# Altium PCB Archimbu.PcbDoc (part 2 of 5)
Units mil, origin at the board's own origin, x right, y up, seen from the top; angles counter-clockwise.
Board outline 4100 x 4050 mil, 4 copper layers (Top Layer, Ground Plane, Power Plane, Bottom Layer), stack 59.2 mil thick; 524 components, 271 nets, 1488 pads, 1236 vias.
Unrouted connection lines stored in the file: 118.
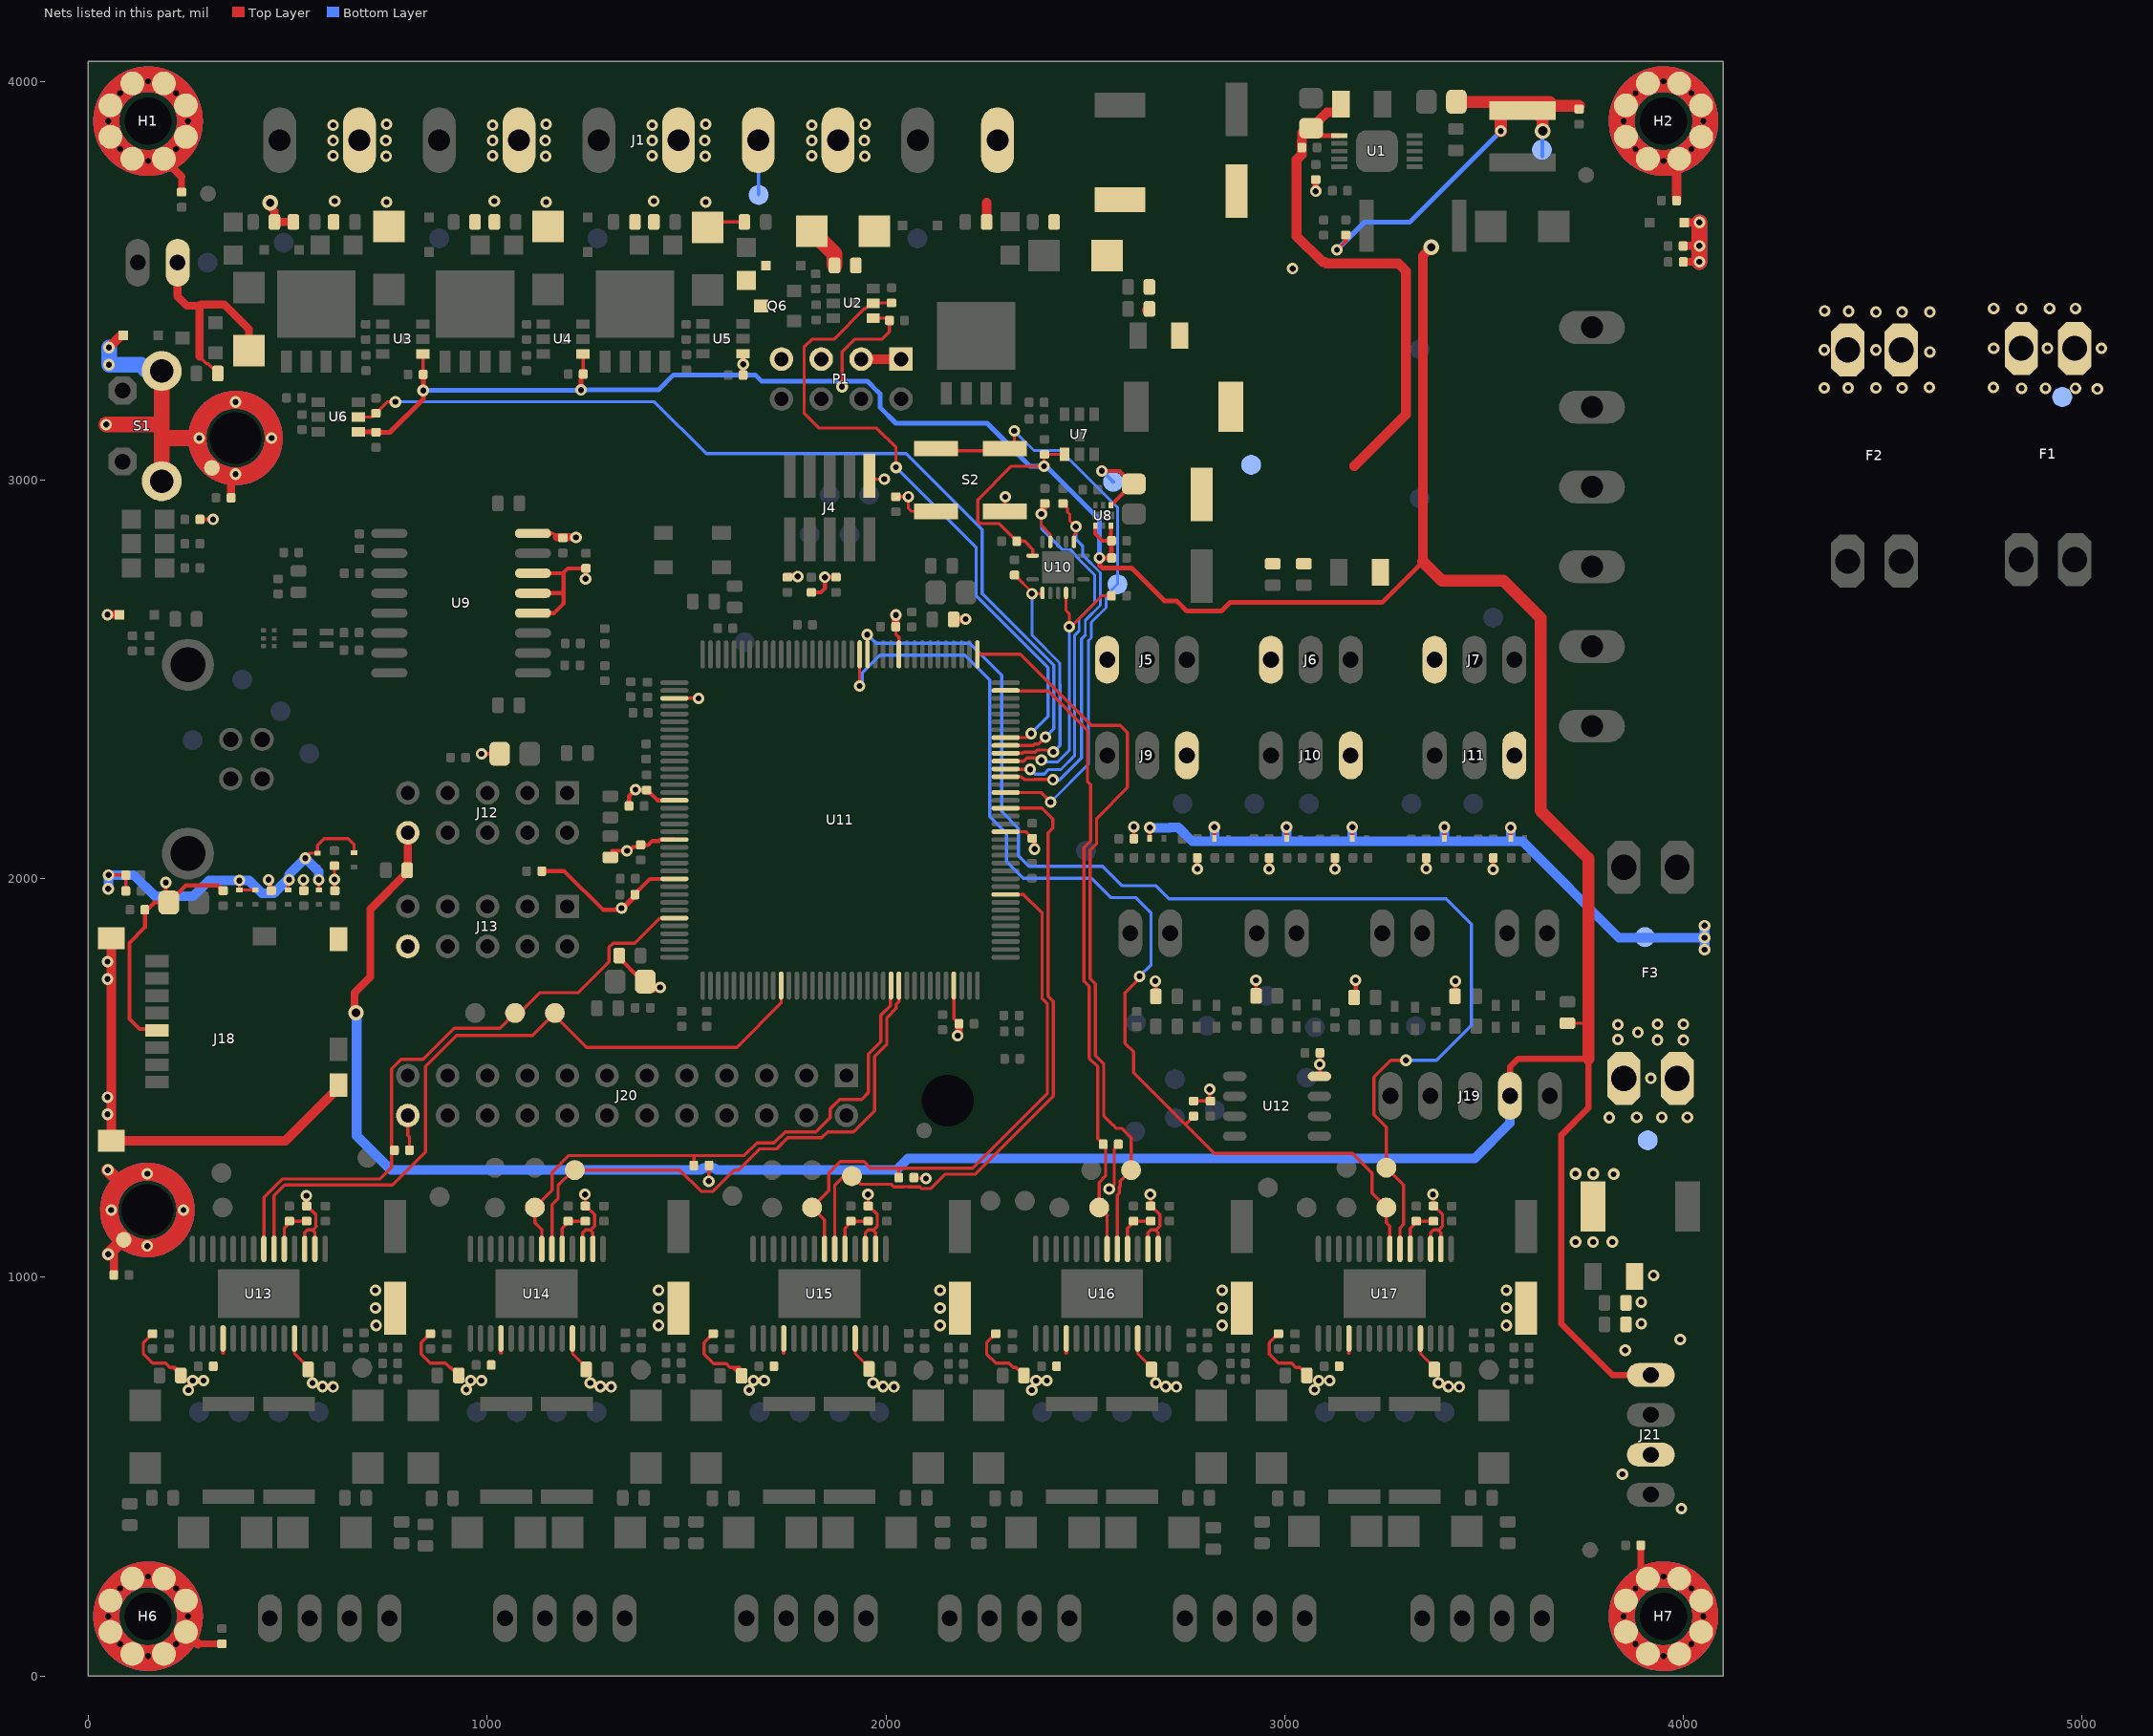
[diagram p4: the nets of this part, all layers, seen from the top]

## Footprints (in the part's own frame and the unit in brackets; to place one, negate y for a bottom-side part, rotate by r counter-clockwise, add the part's x,y. Pads: shape width x height; smd on the part's side, far side on the other; paste and mask are expansions set on the pad) (continued)
QFN50P350X350X100_RGY_S-PVQFN-N14 [mm] "QFN, 14-Leads, Body 3.50x3.50mm, Pitch 1.50mm/0.50mm, Thermal Pad 2.05x2.05mm, IPC High Density"
  oval 0.8x0.28 smd: 1(-1.625,-0.75) 7(1.625,-0.75) 8(1.625,0.75) 14(-1.625,0.75)
  oval 0.28x0.8 smd: 2(-1,-1.625) 3(-0.5,-1.625) 4(0,-1.625) 5(0.5,-1.625) 6(1,-1.625) 9(1,1.625) 10(0.5,1.625) 11(0,1.625) 12(-0.5,1.625) 13(-1,1.625)
  rect 2.05x2.05 smd: 15(0,0)
  silkscreen extent -2.66,-1.97 1.97,1.97, body extent -1.83,-1.83 1.83,1.83, height 1
R0402 [mil]
  rrect40% 22x24 smd: 1(-18.9,0) 2(19,0)
  body extent -20,-10 20,10, height 14
R0603#1 [mm]
  rrect40% 0.74x1 smd: 1(-0.68,0) 2(0.68,0)
  body extent -0.8,-0.4 0.8,0.4, height 0.8
R0603#2 [mm]
  rrect40% 0.74x1 smd: 1(0.68,0) 2(-0.68,0)
  body extent -0.8,-0.4 0.8,0.4, height 0.8
S25FL216K0PMFI041 [mm] "SOIC, 8-Leads, Body 4.90x3.90mm, Pitch 1.27mm, IPC Medium Density"
  oval 1.5x0.6 smd: 1(-2.7,1.905) 2(-2.7,0.635) 3(-2.7,-0.635) 4(-2.7,-1.905) 5(2.7,-1.905) 6(2.7,-0.635) 7(2.7,0.635) 8(2.7,1.905)
  silkscreen extent -2.82,-2.45 1.55,2.88, body extent -1.95,-2.45 1.95,2.45, height 1.75
SMA-SM [mil]
  rect 79x79 smd: A(79,0) C(-78.74,0)
  silkscreen extent -89,-49 89,50, body extent -105,-54 105,55, height 116
SOD323-R [mil]
  rect 24x24 smd: A(44,0) C(-43.31,0)
  silkscreen extent -58,-38 -48,-28, body extent -50,-31 50,31, height 28
SOD523 [mil]
  rect 28x20 smd: A(27.56,0) C(-27.56,0)
  silkscreen extent -40,-31 -31,-22, body extent -30,-16 30,16, height 28
SOD923-100X40-2N [mm] "SODFL, 2-Leads, Body 0.60x1.00mm, IPC Medium Density"
  rect 0.3x0.4 smd paste-0.025: A(0.45,0) C(-0.45,0)
  silkscreen extent -0.55,0.35 -0.45,0.45, body extent -0.42,-0.33 0.43,0.33, height 0.4
SOT23-3 [mil]
  rect 32x36 smd: 1(-37.4,-39.37) 2(38,-39.37) 3(0,44)
  silkscreen extent -55,-4 56,28, body extent -59,-45 59,53, height 44
SOT26P285X140-6L [mm] "SOT26, 6-Leads, Body 3.00x2.85mm, Pitch 0.95mm, IPC High Density"
  rect 0.85x0.6 smd: 1(-1.275,0.95) 2(-1.275,0) 3(-1.275,-0.95) 4(1.275,-0.95) 5(1.275,0) 6(1.275,0.95)
  silkscreen extent -1.4,-1.55 0.45,1.92, body extent -0.85,-1.55 0.85,1.55, height 1.4
SOT669 [mil]
  rect 28x56 smd: 1(-75,-100.39) 2(-25,-100.39) 3(25,-100.39) 4(75,-100.39)
  rect 197x170 smd mask-200: MB(0,44)
  silkscreen extent -94,-77 95,-48, body extent -96,-120 97,128, height 43
SOT886 [mm]
  rect 0.27x0.325 smd paste-5: 1(-0.5,-0.337) 2(0,-0.337) 3(0.5,-0.337) 4(0.5,0.337) 5(0,0.337) 6(-0.5,0.337)
  silkscreen extent -1.05,-0.83 -0.9,-0.67, body extent -0.75,-0.53 0.75,0.53, height 0.54
STANDOFF3MMTOPCONN#1 [mm]
  round 1 smd paste-2 mask-2: 1(-1.5,-1.9)
  round 0 hole 3.3 unplated paste-2 mask-3: ""(0,0)
  Top Layer lines w1.143: -2.438,0 cw(c0,0) 2.438,0 cw(c0,0) 0,-2.438 cw(c0,0) -2.438,0
  Bottom Layer circle w1.143: c0,0 r2.438
  silkscreen extent -2.98,-2.98 2.98,2.98, body extent -2.98,-2.98 2.98,2.98, height 0.01
STANDOFF3MMTOPCONN#2 [mm]
  round 1 smd paste-2 mask-2: 1(-1.5,-1.9)
  round 0 hole 3.3 unplated paste-2 mask-3: ""(0,0)
  Top Layer drawing of 16385 lines, arcs and shapes, not listed
  Bottom Layer circle w1.143: c0,0 r2.438
  silkscreen extent -2.98,-2.98 2.98,2.98, body extent -2.98,-2.98 2.98,2.98, height 0.01
TDFN1616-6LD-PL-1 [mm] "1.6mmx1.6mm"
  rect 0.28x0.4 smd mask+0.13: 1(-0.5,-0.65) 2(0,-0.65) 3(0.5,-0.65) 4(0.5,0.65) 5(0,0.65) 6(-0.5,0.65)
  rect 1.4x0.5 smd paste-1 mask+0.07: 7(0,0)
  silkscreen extent -1.2,-0.9 -1,-0.7, body extent -0.8,-0.8 0.8,0.8, height 0.55
TP-2 [mil]
  round 50 smd paste-78.74: 1(0,0)
  body extent -25,-25 25,25, height 1
VSSOP10 [mm] "TSSOP, 10-Leads, Body 3.15x3.00mm, Pitch 0.50mm, Thermal Pad 2.05.2x1.50.2mm, IPC High Density"
  rect 1.02x0.3 smd mask+0.102: 1(-2.4,1) 2(-2.4,0.5) 3(-2.4,0) 4(-2.4,-0.5) 5(-2.4,-1) 6(2.4,-1) 7(2.4,-0.5) 8(2.4,0) 9(2.4,0.5) 10(2.4,1)
  rrect50% 2.667x2.667 smd mask-1.905: 11(0,0)
  silkscreen extent -2.02,-1.7 0.65,1.82, body extent -1.55,-1.7 1.55,1.7, height 1.09
Wave_hole_3x7-singleSided#1 [mil]
  round 0 hole 118.11 unplated paste+0 mask-112: 0(0,0)
  round 0 hole 15 paste-20 mask-20: 1(-100,0) 1(-70,-70) 1(-70,70) 1(0,-100) 1(0,100) 1(70,-70) 1(70,70) 1(100,0)
  round 60 smd paste-5 mask+0: 1(-94.49,-39.37) 1(-94.49,39.37) 1(-39.37,-94.49) 1(-39.37,94.49) 1(39.37,-94.49) 1(39.37,94.49) 1(94.49,-39.37) 1(94.49,39.37)
  Top Layer lines w64.96: 41.38,-96.5 ccw(c0,0) 105,0 ; 41.38,-96.5 cw(c0,0) 105,0 ; 41.38,-96.5 ccw(c0,0) 105,0 ; 41.38,-96.5 cw(c0,0) 105,0 ; 41.38,-96.5 ccw(c0,0) 105,0
  Bottom Layer lines w64.96: -74.25,-74.25 ccw(c0,0) 105,0 ccw(c0,0) 74.25,74.25 ccw(c0,0) -74.25,-74.25
  body extent -105,-105 105,105
Wave_hole_3x7-singleSided#2 [mil]
  round 0 hole 118.11 unplated paste+0 mask-112: 0(0,0)
  round 0 hole 15 paste-20 mask-20: 1(-100,0) 1(-70,-70) 1(-70,70) 1(0,-100) 1(0,100) 1(70,-70) 1(70,70) 1(100,0)
  round 60 smd paste-5 mask+0: 1(-94.49,-39.37) 1(-94.49,39.37) 1(-39.37,-94.49) 1(-39.37,94.49) 1(39.37,-94.49) 1(39.37,94.49) 1(94.49,-39.37) 1(94.49,39.37)
  Top Layer lines w64.96: -74.25,-74.25 ccw(c0,0) 19.9,-103.1 ccw(c0,0) 105,0 ccw(c0,0) -74.25,-74.25
  Bottom Layer lines w64.96: -74.25,74.25 ccw(c0,0) 74.25,-74.25 ccw(c0,0) 105,0 ccw(c0,0) -74.25,74.25
  body extent -105,-105 105,105
Wave_hole_3x7-singleSided#3 [mil]
  round 0 hole 118.11 unplated paste+0 mask-112: 0(0,0)
  round 0 hole 15 paste-20 mask-20: 1(-100,0) 1(-70,-70) 1(-70,70) 1(0,-100) 1(0,100) 1(70,-70) 1(70,70) 1(100,0)
  round 60 smd paste-5 mask+0: 1(-94.49,-39.37) 1(-94.49,39.37) 1(-39.37,-94.49) 1(-39.37,94.49) 1(39.37,-94.49) 1(39.37,94.49) 1(94.49,-39.37) 1(94.49,39.37)
  Top Layer lines w64.96: -41.38,96.5 cw(c0,0) 105,0 ; -41.38,96.5 cw(c0,0) 105,0 ; -41.38,96.5 cw(c0,0) 105,0 ; -41.38,96.5 cw(c0,0) 105,0 ; -41.38,96.5 ccw(c0,0) 105,0
  Bottom Layer circle w64.96: c0,0 r105
  body extent -105,-105 105,105
XAL50XX-153 [mm] "Precision Wire Wound Inductor, 2-Leads, Body 5.28x5.48mm, IPC High Density"
  rect 1.18x4.25 smd: 1(-1.655,0) 2(1.655,0)
  silkscreen extent -2.75,-2.85 2.75,2.85, body extent -2.74,-2.84 2.74,2.84, height 4.25

## Part data
C1: library part GRM21BR71H105KA12L, "CAP CER 0805 1uF 50V 10% X7R"
C2 C25 C88 C89 C90 C91 C92: "CAP ALUM 100UF 35V 20% SMD"
C3 C24: library part C0805C106K8PACTU, "CAP CER 0805 10uF 10V 10% X5R"
C4: library part C1206C475K5PACTU, "CAP CER 1206 4.7uF 50V 10% X5R"
C5 C18 C19 C20 C21 C22 C23 C26 C28 C29 C30 C31 C33 C39 C44 C45 C46 C51 C52 C54 C56 C63 C65 C68 C69 C71 C73 C74 C75 C76 C78 C79 C80 C81 C82 C108 C110 C111 C112 C113: library part GRM155R71C104KA88D, "CAP CER 0402 100nF 16V 10% X7R"
C6 C15 C36 C95 C109 C114 C115 C116 C117 C118 C119 C120 C121 C122: library part C0603C104K5RACTU, "CAP CER 0603 100nF 50V 10% X7R"
C7 C32 C34: library part GRM155R60J105KE19D, "CAP CER 0402 1uF 6.3V 10% X5R"
C8 C9 C10 C11 C12 C14 C17 C27 C50 C67: "Capacitor Non Polarized"
C13 C35 C94 C126 C127 C128 C129 C130 C131 C132 C133 C134 C135 C136 C137 C138 C139 C140 C141 C142 C143 C144 C145: library part C0603C102K5RACTU, "CAP CER 0603  1nF 50v 10% X7R"
C16 C38 C93: library part CL31A106KBHNNNE, "CAP CER 10UF 50V 10% X5R 1206"
C37 C53 C55 C57 C66 C72: library part C1608JB0J106K080AB, "CAP CER 10UF 6.3V 10% JB 0603"
C40 C43 C58 C59 C60 C61 C62 C64 C77 C96 C97 C98 C99 C101 C102 C103 C104 C105 C106 C124 C125: library part GRM155R71H103JA88D, "CAP CER 10nF 50V X7R 0402"
C41 C42: library part CL10C030BB8NNND, "CAP CER 3PF 50V NP0 0603"
C48: library part CC0402KRX7R8BB472, "CAP CER 0402 4.7nF 25V 10% X7R"
C49: library part CL05C100JB5NNNC, "CAP CER 10PF 50V 5% NP0 0402"
C70: library part CL21A476MQCLRNC, "CAP CER 47UF 6.3V 20% X5R 0805"
C83 C84 C85 C86 C87: library part GRM155R60J474KE19D, "0.47uF 6.3v C0402 - GRM155R60J474KE19D"
C100 C107 C123: library part GRM155R71H103JA88D, "CAP CER 10000PF 50V X7R 0402"
D1 D22 D43: "DIODE DO-214AB"
D2 D6 D7 D8 D12 D15 D19: library part SK310A, "DIODE Schottky 3A SMA"
D3 D4 D5 D10 D11 D14 D21 D26: "DIODE TVS"
D9 D13 D16 D17 D18 D20 D24: "LED 0805 Red"
D23: "LED 0805 Green"
D25: "LED 0805 Yellow"
D27: "Rail-to-rail ESD protection devices"
D28 D29 D30 D31 D32 D33 D64 D65 D66 D67 D68 D69: "11.5 V 15 pF SMT Transient Voltage Suppressor - SOD-923"
D34: "Z-Diode 2.7V 10mA 200mW"
D35 D36 D37 D38 D39 D40 D41 D42: "DIODE SOD523"
D44 D45 D46 D47 D48 D49 D50 D51 D52 D53 D54 D55 D56 D57 D58 D59 D60 D61 D62 D63: "DIODE TVS 30V SMA"
F1 F2 F3: "FUSE PTH ATO"
H3 H4 H5: library part Standoff3TopConn, "Mechanical - Top connect"
J1: library part "0395311010 - Molex 10 Position Connector", "MSBTV10 10 port connector same as RAMBo"
J2 J14 J15 J16 J17: "Connector 2pos"
J3: "PHOENIX"
J4: library part "ARM Cortex JTAG-DEBUG Header"
J5 J6 J7 J9 J10 J11: library part C-GRID-03-70543, "Connector 2pos 2.54mm locking"
J12 J13: "Header, 5-Pin, Dual row"
J18: "microSD 502570-0893 Molex Part"
J19: "5pos Latching 2.54mm"
J20: "Header, 12-Pin, Dual row"
J21 J22 J23 J24 J25 J26 J27: library part "Molex 0705430003 Alt", "Molex 4 Pin Clip Connector"
L1: "IND 15uH 3.9A 20%"
L2 L4: "Ferrite"
L3 L6 L7: "IND 0805 10uH 100mA 780 mOhm 20%"
L5: "Common Mode Chokes Dual 90Ohm 100MHz 330mA 350mOhm DCR SMD"
P1: "Header, 4-Pin, Dual row"
Q1 Q2 Q3 Q4: "Mosfet N-channel 60V 356A 117W 9.3mOhms"
Q5 Q6: "Mosfet N-Channel 30V 3.4A 63mOhm"
R1: library part CRCW0402200KFKED, "RES 0402 200k 63mW 1%"
R2 R10 R11 R26 R28 R29 R30 R35 R39 R64 R65 R67 R68 R69 R70 R84 R85 R86 R87 R88 R89 R101 R102 R104 R106 R108 R114 R115 R116 R117 R118: library part RC0402FR-0710KP, "RES SMD 10K OHM 1% 1/16W 0402"
R3 R4 R32 R66 R100 R131 R132: "Resistor"
R5: library part RL2512FK-070R06L, "RES 0.06 OHM 1W 1% 2512 SMD"
R6 R7 R8 R9 R12 R14: library part RC0603JR-071K8L, "RES 0603 1.8K 100mW 5%"
R13 R42 R43 R45 R46 R47 R48 R77 R82 R83: library part CRCW040224R0FKED, "Res Thick Film 0402 24 Ohm 1% 0.063W"
R15 R16 R17 R18 R19 R20 R21 R22 R23 R24 R25 R27: library part RC0402FR-0710RL, "RES SMD 10 OHM 1% 1/16W 0402"
R31 R37 R38 R51 R52 R53 R55 R57 R59 R61 R103 R105 R107 R119 R120: library part RC1005F104CS, "RES SMD 100K OHM 1% 1/16W 0402"
R33 R34 R36 R41 R50 R54 R56 R58 R60 R62 R63: library part RK73H1ETTP1001F, "RES 0402 1k 63mW 1%"
R40 R71 R72 R73 R74 R75 R78 R79 R80 R81: library part ERJ3EKF4701V, "RES 0603 4.7K 100mW 1%"
R44 R109 R110 R111 R112 R113: library part ERJ2GEJ105X, "RES 0402 1M 100mW 5%"
R49: library part CRCW04026K80FKED, "RES SMD 6.8K OHM 1% 1/16W 0402"
R76: library part RC0603JR-07430RL, "RES 0603 0.1 W 430 Ohms 5% ±100 ppm/°C SMT"
R90 R91 R92 R93 R94 R95 R96 R97 R98 R99: library part Resistor, "Resistor"
R121 R122 R123 R124 R125 R126 R127 R128 R129 R130: library part CSRN2512FTR200, "RES SMD 0.2 OHM 1% 2W 2512"
S1: "SWTCH Momentary Washable"
S2: "Switch SPST 1.7 N / 1.8 N J Bend Surface Mount Tactile Switch"
TP1 TP2 TP3 TP4 TP5 TP6 TP7 TP8 TP9 TP10 TP11 TP12 TP13 TP14 TP15 TP16 TP17 TP18 TP19 TP20 TP21 TP22 TP23 TP24 TP25 TP26 TP27 TP28 TP29 TP30 TP31 TP32 TP33 TP34 TP35 TP36 TP37 TP38 TP39 TP40 TP41 TP42 TP43 TP44 TP45 TP46 TP47 TP48 TP49 TP50 TP51 TP52 TP53 TP54 TP55 TP56 TP57 TP58 TP59 TP60 TP61 TP62 TP63 TP64 TP65 TP66 TP67 TP68 TP69 TP70 TP71 TP72 TP73 TP74 TP75 TP76 TP77 TP78 TP79 TP80 TP81 TP82 TP83 TP84 TP85 TP86 TP87 TP88 TP89 TP90 TP91 TP92 TP93 TP94 TP95 TP96 TP97 TP98 TP99 TP100 TP101 TP102 TP103 TP104: library part Socket, "Socket"
U1: library part LM25011, "REG BUCK"
U2 U3 U4 U5 U6 U7: "MOSFET DRVR 3A 1-OUT High Speed Non-Inv6-Pin SOT-26 T/R"
U8: "LDO 3.3V 500mA - low ESR Cout"
U9: "USB Opto Isolator"
U10: library part SN74AHCT125, "Quadruple Bus Buffer Gates With 3-State Outputs 14-VQFN -40 to 125"
U11: library part ATML-ATSAM3X-LQFP-144, "Atmel"
U13 U14 U15 U16 U17: "DRV8825 Ti Stepper Driver"
X1: "Crystal 12MHz ±30ppm (Tol) ±50ppm (Stability) 13pF FUND 50Ohm"

## Free pads (board coordinates)
  rect 25x25 smd paste-30: 0(629.87,3159.08) 0(792.87,3353.76) 0(1194.44,3353.76) 0(1595.87,3355.2) 0(2486.44,3109.5)
  rect 25x25 smd paste-30 mask+1: 0(1920,3444)

## Via types
v1: diameter 29, hole 15, Top Layer to Bottom Layer, tented both sides, 1115 vias
v2: diameter 30, hole 15, Top Layer to Bottom Layer, tented both sides, 95 vias
v3: diameter 30, hole 15, Top Layer to Bottom Layer, 9 vias
v4: diameter 40, hole 24, Top Layer to Bottom Layer, tented both sides, 7 vias
v5: diameter 25, hole 10, Top Layer to Bottom Layer, tented both sides, 4 vias
v6: diameter 50, hole 30, Top Layer to Bottom Layer, 2 vias
v7: diameter 40, hole 20, Top Layer to Bottom Layer, tented both sides, 2 vias
v8: diameter 38, hole 22, Top Layer to Bottom Layer, tented both sides, 1 vias
v9: diameter 34, hole 20, Top Layer to Bottom Layer, tented both sides, 1 vias

## Nets (pads, with @x,y where several pads share a name; then routed paths per layer and width w, separated by ;. In a path a pad name is that pad's centre, name@x,y a point inside that pad or via, vN(x,y) a via of type N, cw(c..) or ccw(c..) an arc to the next point about the centre after c; other vN are vias at no path point)
3.3VCC: C24.1 C29.1 C33.1 C40.2 C45.1 C54.1 C56.1 C57.2 C63.1 C69.1 C70.1 C71.1 C81.1 C82.1 J4.1 J5.3 J6.3 J7.3 J9.3 J10.3 J11.3 J13.10 J18.4 J20.24 L6.1 L7.1 R31.2 R33.2 R37.2 R38.2 R40.1 R51.2 R52.2 R53.2 R55.2 R57.2 R59.2 R61.2 R64.2 R65.1 R67.2 R68.2 R69.1 R70.1 R71.1 R72.2 R73.2 R74.2 R75.2 R84.2 R85.2 R86.2 R87.2 R88.2 R89.2 R90.2 R91.2 R92.2 R93.2 R94.2 S2.1 S2.2 TP47.1 U8.4 U9.12 U9.13 U9.14 U9.16 U11.11 U11.39 U11.52 U11.57 U11.62 U11.105 U11.125 U12.8 U13.16 U13.17 U14.16 U14.17 U15.16 U15.17 U16.16 U16.17 U17.16 U17.17 | length 5059
  Top Layer w7: v1(2056,2958) 2056,2929.24 2064.07,2921.16 S2.2@2125.59,2921.16
  Top Layer w8: v1(451.79,1997.14) 457.58,1997.14 457.68,1997.05 457.68,1970.67 R70.1@458.66,1969.69 ; v1(539.4,1997.14) 539.4,1970.75 R67.2@540.35,1969.79 ; U13.17@542.6,1071.2 542.6,1112.04 549.57,1119 561.57,1119 ; R90.2@547.57,1179 548.57,1179 570.57,1157 570.57,1128.12 ; U13.16@568.19,1071.2 568.19,1112.37 561.57,1119 ; 572.57,1128.12 563.44,1119 561.57,1119 ; R65.1@617.13,2032.28 617.13,1999.02 618.11,1998.03 R68.2@618.11,1969.79 ; J20.24@801,1406 801,1356 805.42,1351.58 R87.2@805.42,1318.9 ; U9.16@1115.12,2866 1165,2866 1175,2856 ; U14.17@1239.46,1071.2 1239.46,1112.04 1246.42,1119 1258.42,1119 ; v1@1246.42,1207 1246.42,1179 1247.42,1179 1269.42,1157 1269.42,1128.12 1260.3,1119 1258.42,1119 ; U14.16@1265.05,1071.2 1265.05,1112.37 1258.42,1119 ; U11.39@1469.65,2452.22 v1(1530,2452.22) ; v1(1556.1,1241.14) 1556.1,1241.38 1556.4,1241.68 R88.2@1556.4,1280.51 ; U15.17@1948.58,1071.2 1948.58,1112.04 1955.54,1119 1967.54,1119 ; v1@1955.54,1207 1955.54,1179 1956.54,1179 1978.54,1157 1978.54,1128.12 1969.42,1119 1967.54,1119 ; J4.1@1959,3010.92 1967.95,3001.97 v1(1996.06,3001.97) ; U15.16@1974.17,1071.2 1974.17,1112.37 1967.54,1119 ; C45.1@2023.56,2629.3 C45.1@2023.56,2629.37 ; v1@2024.7,2660.7 v1(2025,2661) ; C45.1@2025,2629.3 2025,2613 2032.64,2605.36 U11.11@2032.64,2562.46 ; R31.2@2025,2958 v1(2056,2958) ; R89.2@2070.18,1250 2072.09,1248.09 v1(2100.5,1248.09) ; U11.105@2170.43,1731.75 2170.43,1648.87 C81.1@2183.3,1636 ; v1(2180,1606) v1@2183.3,1609.3 ; v1(2200,2651) 2204,2651 v1@2205,2650 ; S2.1@2298.82,2921.16 2298.82,2959.25 2299.21,2959.65 v1(2299.21,2957.68) ; U11.125@2300.35,2117.57 2351.73,2117.57 ; 2351.73,2116.57 C56.1@2367,2101.3 ; v1(2560.04,1221.46) 2572.83,1234.25 2572.83,1323.52 R86.2@2582.98,1333.66 ; U16.17@2657.18,1071.2 2657.18,1112.04 2664.14,1119 2676.14,1119 ; v1@2664.14,1207 2664.14,1179 2665.14,1179 2687.14,1157 2687.14,1128.12 2678.02,1119 2676.14,1119 ; U16.16@2682.77,1071.2 2682.77,1112.37 2676.14,1119 ; R84.2@2771.65,1442.23 R85.2@2813.77,1442.23 ; v1(2812.01,1471.46) 2812.01,1443.99 R85.2@2813.77,1442.23 ; R85.2@2814,1442 R85.2@2813.77,1442.23 ; U12.8@3087.3,1504 3088.58,1505.28 C82.1@3088.58,1562.99 ; U17.17@3366.04,1071.2 3366.04,1112.04 3373,1119 3385,1119 ; v1@3373,1207 R94.2@3373,1179 3374,1179 3396,1157 3396,1128.12 3386.88,1119 3385,1119 ; U17.16@3391.63,1071.2 3391.63,1112.37 3385,1119
  Top Layer w10: J18.4@171.77,1619.62 168.39,1623 128.13,1623 103.13,1648 103.13,1839 142.02,1877.9 142.02,1923 149.13,1923 166.13,1940 C70.1@201.72,1940 244.72,1983 325.02,1983 R69.1@338.13,1969.9 ; C70.1@194.09,1966 v1(194.09,1990) ; R33.2@275.77,2901 v1(313,2901) ; v1@530.17,1997.05 530.27,1997.14 v1(539.4,1997.14) ; v1(986,2313) L6.1@1031.6,2313 ; U9.12@1115.12,2666 1168,2666 1192,2690 1192,2714 ; U9.13@1115.12,2716 1190,2716 1192,2714 ; U9.14@1115.12,2766 1190,2766 ; R64.2@1137.11,2018.7 1193.9,2018.7 1290.6,1922 v1@1336,1922 ; v1(1247,2752) 1248,2753 C33.1@1248,2778.3 1247.7,2778 1202,2778 1192,2768 1192,2714 ; 1313.77,2070 1347,2070 1350.72,2068.98 1354.85,2067.85 1366,2079 1379.3,2079 C63.1@1385,2084.7 ; R71.1@1325.23,1807 L7.1@1390.23,1742 ; R51.2@1356,2182 1356,2207 v1(1372,2223) 1372.7,2222.3 C54.1@1400,2222.3 ; C69.1@1376.35,1967.35 1385,1976 1385.09,1976 1394.7,1985.61 1394.7,1985.7 1408.46,1999.46 U11.62@1469.65,1999.46 ; C63.1@1385,2084 1403.96,2084 1414.46,2094.5 1431.09,2094.5 1434.09,2097.5 1434.38,2097.5 1434.77,2097.89 U11.57@1469.65,2097.89 ; L7.1@1391.4,1742 1395.4,1746 L7.1@1414.4,1727 ; C54.1@1400,2215.3 1408.07,2215.3 1427.06,2196.32 U11.52@1469.65,2196.32 ; R37.2@1813,2718 1837,2718 1847,2728 v1(1847,2756) R38.2@1875,2755.99 ; C56.1@2367,2101.3 C56.1@2373,2095.3 ; v1(2541.34,3022.64) 2585.5,3022.64 2618.14,2990 U8.4@2564.33,2936.19 ; R52.2@2622,2100 v1(2622,2130) ; v1(2676,1743) 2675,1743 2677.23,1740.77 R74.2@2677.23,1704.44 ; R53.2@2781,2052 v1(2781,2024) ; v1(2928,1745) 2928,1743 2928.23,1742.77 R72.2@2928.23,1706 ; R55.2@2961,2052 v1(2961,2024) ; R57.2@3126,2051 v1(3126,2024) ; v1(3178,1745) 3178,1748 3178.23,1747.77 R75.2@3178.23,1706 ; v1(3355,2025) R59.2@3355,2051.91 ; v1(3428,1743) 3428.23,1742.77 R73.2@3428.23,1706 ; R61.2@3523,2051 v1(3523,2023) ; v1(2781,2024) 2780,2023 2780,2020 2781,2021 v1(2781,2024) ; v1(2961,2024) 2961,2021 2960,2020 2960,2023 v1(2961,2024) ; v1(3126,2024) 3126,2020 3125,2019 3125,2023 v1(3126,2024) ; v1(3523,2023) 3523,2020 3522,2019 3522,2022 v1(3523,2023)
  Top Layer w12: R90.2@547.57,1179 v1@547.57,1207 ; v1(2373,2074) C56.1@2373,2095.3
  Top Layer w14: v1@1336,1922 1370.7,1956.7 C69.1@1370.7,1960
  Top Layer w16: C40.2@1753,2759 1778,2759 v1(1779,2758)
  Top Layer w20: 1175,2856 v1@1220,2856 ; C45.1@2024.7,2632 v1@2024.7,2660.7 ; R40.1@2169.77,2650 v1@2205,2650 ; v1@2183.3,1609.3 C81.1@2183.3,1636
  Top Layer w22: U9.13@1115.12,2716 U9.13@1116.12,2715
  Top Layer w24: L7.1@1414.4,1727 v1(1434,1727)
  Bottom Layer w10: v1(2541.34,3022.64) 2542.32,3022.64 TP47.1@2569.88,2995.08
  other v1: 547,1205 1245.42,1208 1955,1208 2663.14,1208 3372,1208 3087.6,1534.45 1337,1926 617.13,1998.03 1351,2070 1223,2856
+5VCC: C3.1 C5.2 C18.2 C19.2 C20.2 C21.2 C22.1 C23.2 C30.1 C31.2 C34.1 C66.2 J12.10 J19.4 J21.1 L1.2 R2.2 R10.1 R76.2 TP36.1 U2.1 U3.1 U4.1 U5.1 U6.1 U7.1 U8.1 U8.3 U10.14 | length 13012.2
  Top Layer w7: v1(2396.65,3034.45) 2396.65,3062.99 C22.1@2397.64,3063.98 U7.1@2447.84,3063.98
  Top Layer w8: U3.1@839.17,3315.94 839.47,3315.65 C19.2@839.47,3264.76 ; U4.1@1240.75,3315.94 1241.05,3315.65 C20.2@1241.05,3265.75 ; v2(1890,3234) 1890,3321 1922,3353 1990,3353 2009,3372 C18.2@2009,3400 C18.2@2003.4,3405.6 ; U2.1@1968.2,3405.6 C18.2@2003.4,3405.6 ; C18.2@2013.4,3405.6 C18.2@2003.4,3405.6 ; U10.14@2368.11,2810.04 2368.11,2825.79 2347.44,2846.46 C31.2@2328.06,2846.46 2284.03,2890.48 2236.49,2890.48 2230.32,2896.65 2230.32,2949.8 2314.96,3034.45 v1(2396.65,3034.45) ; C30.1@2564.33,2849.21 C30.1@2565.95,2847.6 ; v1(3131,3577) 3153.31,3599.31 ; R76.2@3709,1637.23 3758.73,1637.23 3761.5,1640
  Top Layer w10: U8.1@2524.96,2885.01 2524.96,2865.28 2542.65,2847.6 C30.1@2565.95,2847.6 ; C30.1@2564.33,2849.21 U8.3@2564.33,2885.01 ; 3153.31,3599.31 R10.1@3153.31,3606.23
  Top Layer w12: U6.1@677.47,3120.47 C23.2@721.51,3120.47 ; C23.2@721.51,3119.49 756.49,3119.49 840,3203 v2(840,3224) 840,3264.24 C19.2@839.47,3264.76 ; v1(1235.3,3225.55) C20.2@1235.3,3264.76 ; C20.2@1238.7,3263.4 C20.2@1241.05,3265.75 ; U5.1@1641.39,3316.6 1642.2,3315.8 v1(1642.2,3290) C21.2@1642.2,3263 ; C30.1@2565.95,2847.6 C34.1@2565.95,2804.6 v1(2535.65,2804.6) 2535.65,2786.2 2542.32,2779.53 2615.83,2779.53 2698.35,2697 2728.77,2697 2754.77,2671 2841,2671 2862.5,2692.5 3244.5,2692.5 3347,2795
  Top Layer w15: v1(3078,3724) R2.2@3078,3744
  Top Layer w16: J19.4@3565,1455 3565,1527.6 3585.4,1548 3761.5,1548 3761.5,1424.5 3693.9,1356.9 3693.9,882.87 3821.77,755 J21.1@3918,755
  Top Layer w20: v8(671.26,1663.39) 667.5,1667.15 667.5,1713.94 707,1753.44 707,1923.01 804.23,2020.24 804.23,2023 801,2026.23 J12.10@801,2115
  Top Layer w24: 3347,2795 3347,3563 v7(3368,3584)
  Top Layer w30: 3347,2795 3395,2747 3549,2747 3642,2654 3642,2170.5 3761.5,2051 3761.5,1640 3761.5,1548 ; C3.1@3430.72,3948.43 L1.2@3637,3948.43 ; v1(3542,3875) L1.2@3542,3935.17 ; v4(3647,3875) 3647,3905 3637,3915 L1.2@3637,3948.43 ; L1.2@3654.23,3937.77 L1.2@3675,3937.77 ; C5.2@3738,3937.77 L1.2@3675,3937.77 ; L1.2@3637,3948.43 3664.35,3948.43 L1.2@3675,3937.77
  Bottom Layer w10: TP36.1@3646,3812 3646,3874 v4(3647,3875)
  Bottom Layer w12: v2(840,3224) 840.47,3224.47 1234.21,3224.47 v1(1235.3,3225.55) 1277.49,3225.55 1277.59,3225.45 1300.37,3225.45 1300.47,3225.55 1307.01,3225.55 1307.11,3225.45 1329.89,3225.45 1329.99,3225.55 1336.54,3225.55 1336.64,3225.45 1359.42,3225.45 1359.52,3225.55 1366.07,3225.55 1366.17,3225.45 1388.95,3225.45 1389.05,3225.55 1395.6,3225.55 1395.7,3225.45 1418.48,3225.45 1418.58,3225.55 1429.55,3225.55 1467.5,3263.5 1644,3263.5 ; v1@1642.09,3290 v1(1642.2,3290) 1642.2,3265.3 1644,3263.5 ; v1(2535.65,2804.6) 2535.65,2900.38 2401.57,3034.45 v1(2396.65,3034.45) 2361.51,3034.45 2253.96,3142 2025,3142 1985,3182 1985,3216 1980.53,3220.47 1980.53,3220.62 1953.14,3248 1904,3248 v2(1890,3234) 1876,3248 1688,3248 1672.5,3263.5 1644,3263.5 ; v1(3131,3577) 3200.65,3646.65 3313.65,3646.65 v1(3542,3875)
  Bottom Layer w24: v8@673,1663.39 673,1355 759,1269 1536.58,1269 1542.23,1274.64 1569.98,1274.64 1575.62,1269 2026,1269 2055.5,1298.5 3476.78,1298.5 3565,1386.72 J19.4@3565,1455
+12VCC1: C88.1 C89.1 C90.1 C91.1 C92.1 C93.1 C94.1 C95.1 C108.2 C109.1 C110.2 C111.2 C112.2 C113.2 C114.1 C115.1 C116.1 C117.1 C118.1 C119.1 C120.1 C121.1 C122.1 D43.C F3.2 J21.3 R109.2 R110.2 R111.2 R112.2 R113.2 TP79.1 U13.4 U13.11 U14.4 U14.11 U15.4 U15.11 U16.4 U16.11 U17.4 U17.11 | length 1672
  Top Layer w7: U13.11@517.01,846.8 517.01,808.9 551.79,774.12 C114.1@551.79,769 ; U14.11@1213.87,846.8 1213.87,808.9 1248.65,774.12 C115.1@1248.65,769 ; U15.11@1922.99,846.8 1922.99,808.9 1957.77,774.12 C109.1@1957.77,769 ; U16.11@2631.59,846.8 2631.59,808.9 2666.37,774.12 C116.1@2666.37,769 ; U17.11@3340.44,846.8 3340.44,808.9 3375.23,774.12 C117.1@3375.23,769
  Top Layer w8: R109.2@161.14,858.7 138.14,835.7 138.14,807.82 161.28,784.69 194.08,784.69 204.43,774.33 211.58,774.33 ; C114.1@547.57,768.89 C114.1@560.14,756.31 ; R110.2@858,858.7 835,835.7 835,807.82 857.82,785 895.43,785 906.1,774.33 908.44,774.33 C119.1@928.77,754 ; C115.1@1244.42,768.89 C115.1@1257,756.31 ; R111.2@1567.12,858.7 1544.12,835.7 1544.12,807.82 1568.39,783.55 1568.52,783.69 1599.94,783.69 1609.29,774.33 1616.44,774.33 ; 1633.67,774.33 1616.44,774.33 ; C122.1@1637.77,753 1616.44,774.33 ; C109.1@1953.54,768.89 C109.1@1966.12,756.31 ; R112.2@2275.72,858.7 2252.72,835.7 2252.72,807.82 2275.85,784.69 2308.66,784.69 2319.01,774.33 2326.16,774.33 C120.1@2346.49,754 ; C116.1@2662.14,768.89 C116.1@2674.72,756.31 ; R113.2@2984.58,858.7 2961.58,835.7 2961.58,807.82 2984.71,784.69 3017.51,784.69 3027.87,774.33 3038.69,774.33 3055.35,757.67 C121.1@3055.35,754 ; C117.1@3371,768.89 C117.1@3383.58,756.31 ; 211.58,774.33 218.21,774.33 231.91,760.63 C118.1@231.91,754 211.58,774.33
  Top Layer w10: C110.2@313.44,780 C110.2@313.44,781 ; 337.88,810.33 U13.4@337.88,846.8 ; C108.2@1010.3,780 C108.2@1010.3,781 ; 1034.73,810.33 U14.4@1034.73,846.8 ; C111.2@1719.42,780 C111.2@1719.42,781 ; 1743.85,810.33 U15.4@1743.85,846.8 ; C112.2@2428.02,780 C112.2@2428.02,781 ; 2452.45,810.33 U16.4@2452.45,846.8 ; C113.2@3136.88,780 C113.2@3136.88,781 ; 3161.31,810.33 U17.4@3161.31,846.8
  other v1: 3995,420 3847,506 251,717 1657,717 2366,717 948,718 3075,718 614.14,725 1311,725 2020.12,725 2728.72,725 3437.58,725 587.14,726 1284,726 1993.12,726 2701.72,726 3410.58,726 562.14,735 1259,735 1968.12,735 2676.72,735 3385.58,735 262.14,741 289.14,741 959,741 986,741 1668.12,741 1695.12,741 2376.72,741 2403.72,741 3085.58,741 3112.58,741 3854,817 3992,844 722,879.36 1430,879.36 2136,879.36 2843,879.36 3556,879.36 3894,884 720,923 1430,923 2136,923 2843,923 3556,923 3894,938 720,967.36 1430,967.36 2136,967.36 2843,967.36 3556,967.36 3925,1005 3773.62,1088.58 3813.98,1400.59 3882.87,1401.57 3945.87,1401.57 4009.84,1401.57 3918.31,1499.02 3935,1595 4000,1595 3835.63,1596.46 3885.83,1614.17 3835.63,1633.86 3935,1635 4000,1635
  other v2: 3729.33,1088.58 3821.85,1088.58 3824.8,1258.86 3729.33,1259.84 3773.62,1259.84
+12VCC2: C1.1 C4.1 C8.1 C9.1 C10.1 C14.1 C17.1 C25.1 C35.1 C36.1 C38.1 D6.C D7.C D8.C D12.C D19.C D22.C F2.2 J1.2 J1.4 J1.6 J1.8 J2.2 P1.1 P1.3 P1.5 P1.7 R1.2 R6.2 R7.2 R8.2 R12.2 R14.2 TP46.1 U1.1 | length 2092.9
  Top Layer w8: 279,3309.41 296.81,3291.6 300.17,3291.6 C17.1@324.77,3267 ; D8.C@1553,3633.74 1566.26,3647 R12.2@1645.23,3647
  Top Layer w12: C1.1@3083.68,3872.95 3092.83,3863.8 U1.1@3136.83,3863.8
  Top Layer w20: J2.2@224,3545 224,3460 247,3437 279,3437 ; 279,3309.41 279,3437 ; D12.C@403,3324.26 403,3378 341,3440 282,3440 279,3437 ; v7(456,3695) 451,3690 466.77,3674.23 R14.2@466.77,3647 ; R14.2@466.77,3647 C8.1@514.23,3647
  Top Layer w24: P1.3@1938,3303 P1.1@2038,3303 ; 3043.31,3851.38 C1.1@3043.31,3871.02 ; C1.1@3062.31,3890.02 3073.97,3890.02 3106.37,3922.43 C4.1@3120.15,3922.43
  Top Layer w25: 3043.31,3851.38 R1.2@3043.31,3833.43 3043.31,3816.61 3030,3803.29 3030,3611.73 3095.73,3546 3101.12,3546 3104.12,3543 3145.08,3543 3145.39,3543.31 3284.69,3543.31 3304,3524 3304,3164 3175,3035
  other v1: 4353,3231 4413,3231 4483,3231 4548,3231 4617,3232 4618,3321 4353,3326 4483,3326 4483,3421 4548,3421 4618,3421 4414,3423 4354,3424 748,3697 1148,3697 1548,3697 618,3699 1018,3699 1418,3699 747,3812 1147,3812 1547,3812 1947,3812 614,3813 1014,3813 1414,3813 1814,3813 614,3851 746,3851 1014,3851 1146,3851 1414,3851 1546,3851 1814,3851 1946,3851 614,3890 1014,3890 1414,3890 1814,3890 748,3892 1148,3892 1548,3892 1948,3892
+12VCC3: C2.1 C11.1 C13.1 C15.1 C16.1 D1.C D15.C F1.2 J1.10 R9.2 TP43.1 | length 53.9
  Top Layer w24: C11.1@2252.77,3646.99 2252.77,3695.77
  Top Layer w29: C15.1@2657.17,3425.39 C15.1@2660.77,3429
  other v1: 5038,3228 4848,3230 4908,3230 4983,3230 4777,3232 4778,3330 4913,3330 5048,3330 4778,3430 4848,3430 4918,3430 4983,3430 3020,3530
BED_PWM: R30.2 U10.9 U11.132 | length 943
  Top Layer w7: R30.2@2452.76,2931.79 2454.9,2929.65 2454.9,2919.91 2461.61,2913.19 2461.61,2896.65 2474.41,2883.86 v1@2471.46,2880.91 ; U10.9@2471.46,2844.49 2471.46,2861.22 2476.38,2866.14 v1(2476.38,2882.87)
  Top Layer w8: U11.132@2300.35,2255.37 2340,2255.37 2346.87,2248.5 2372.56,2248.5 2372.69,2248.62 2418.38,2248.62 v1(2419,2248)
  Bottom Layer w7: v1(2476.38,2882.87) 2476.38,2851.38 2494.09,2833.66 2494.09,2810.79 2538.02,2766.87 2538.02,2685.62 2500.15,2647.75 2500.15,2610.24
  Bottom Layer w8: v1(2419,2248) 2436,2248 2490.75,2302.75 2490.75,2600.84 2500.15,2610.24
DECAYA: R90.1 R95.2 U13.19 | length 118.6
  Top Layer w8: U13.19@491.42,1071.2 491.42,1122.75 R95.2@507.67,1139 ; R95.2@504.57,1141 532.46,1141 532.57,1141.1 547.57,1141.1 R90.1@548.57,1141.1
DECAYB: R91.1 R96.2 U14.19 | length 118.6
  Top Layer w8: U14.19@1188.28,1071.2 1188.28,1122.75 R96.2@1204.53,1139 ; R96.2@1203.42,1141 1231.32,1141 1231.42,1141.1 1246.42,1141.1 R91.1@1247.42,1141.1
DECAYC: R93.1 R98.2 U16.19 | length 118.6
  Top Layer w8: U16.19@2606,1071.2 2606,1122.75 R98.2@2622.24,1139 ; R98.2@2621.14,1141 2649.04,1141 2649.14,1141.1 2664.14,1141.1 R93.1@2665.14,1141.1
DECAYD: R94.1 R99.2 U17.19 | length 118.6
  Top Layer w8: U17.19@3314.85,1071.2 3314.85,1122.75 R99.2@3331.1,1139 ; R99.2@3330,1141 3357.9,1141 3358,1141.1 R94.1@3373,1141.1 R94.1@3374,1141.1
DECAYZ: R92.1 R97.2 U15.19 | length 118.6
  Top Layer w8: U15.19@1897.4,1071.2 1897.4,1122.75 R97.2@1913.64,1139 ; R97.2@1912.54,1141 1940.44,1141 1940.54,1141.1 1955.54,1141.1 R92.1@1956.54,1141.1
DIR1: TP3.1 U11.83 U13.20 | length 1850.1
  Top Layer w8: U13.20@465.83,1071.2 465.83,1204.83 492.5,1231.5 762.44,1231.5 845.47,1314.53 845.47,1529 923.47,1607 1114,1607 TP3.1@1170,1663 1170,1655.94 1248.94,1577 1626.21,1577 1737.5,1688.29 1737.5,1731.61 U11.83@1737.36,1731.75 ; TP3.1@1170,1651 TP3.1@1170.06,1651
DIR2: TP9.1 U11.98 U14.20 | length 1419.8
  Top Layer w8: U14.20@1162.69,1071.2 1162.69,1182 1177.92,1197.24 1177.92,1229.92 1217,1269 TP9.1@1220,1269 1483.27,1269 1536.63,1215.64 1566.66,1215.64 1620.02,1269 1629.79,1269 1682.79,1322 1725.57,1322 1753.57,1350 1839.02,1350 1854.02,1365 1918.57,1365 1971.53,1417.95 1971.53,1554.17 2002.5,1585.14 2002.5,1651.42 2026,1674.92 2026,1684.74 2032.64,1691.38 U11.98@2032.64,1731.75
DIR3: TP13.1 U11.1 U16.20 | length 1857.2
  Top Layer w8: U11.1@2229.49,2562.46 2337.05,2562.46 2515.51,2384 2588,2384 2606,2366 2606,2228 2528.5,2150.5 2528.5,2088.01 2511.79,2071.3 2511.79,1749 2525,1735.79 2525,1555.85 2546.35,1534.5 2546.35,1404.79 2568.61,1382.54 2569.1,1382.54 2578.12,1373.51 2592,1373.51 2615,1350.51 TP13.1@2615,1269 2587.83,1241.83 2587.83,1228.04 2585.54,1225.74 2585.54,1210.89 2580.4,1205.76 U16.20@2580.4,1071.2
DIR4: TP8.1 U11.15 U17.20 | length 3142.1
  Top Layer w8: v1(1953,2612) 1953,2620.2 1953.9,2621.1 U11.15@1953.9,2562.46 ; U17.20@3289.26,1071.2 3289.26,1124.26 3298,1133 3298,1232 TP8.1@3255,1275 3255,1377.02 3224,1408.02 3224,1501.98 3266.31,1544.29 v1(3304.13,1544.29)
  Bottom Layer w8: v1(1953,2612) 1954,2612 1975.5,2590.5 2210.29,2590.5 2290.5,2510.29 2290.5,2168.07 2332.5,2126.07 2332.5,2057.22 2359.22,2030.5 2543.71,2030.5 2591.71,1982.5 2676.5,1982.5 2710,1949 3405,1949 3468.5,1885.5 3468.5,1632.22 3380.57,1544.29 v1(3304.13,1544.29)
DIR_Z: TP15.1 U11.128 U15.20 | length 1683.9
  Top Layer w8: U15.20@1871.81,1071.2 1871.81,1231.81 TP15.1@1915,1275 ; TP15.1@1900,1250 TP15.1@1909.5,1259.5 ; TP15.1@1915,1254 1935.5,1233.5 2012.8,1233.5 2019.3,1227 2045.26,1227 2045.62,1227.36 2056.84,1227.36 2057.2,1227 2085.36,1227 2089.77,1222.59 2111.53,1222.59 2147.44,1258.5 2223.5,1258.5 2420,1455 2420,1692.29 2406.79,1705.51 2406.79,2114.79 2418.5,2126.5 2418.5,2149.56 2391.43,2176.63 U11.128@2300.35,2176.63
EN1: R87.1 TP2.1 U11.67 U13.21 | length 1611.5
  Top Layer w8: U13.21@440.24,1071.2 440.24,1200.45 486.29,1246.5 730.62,1246.5 760.47,1276.35 760.47,1522.79 784.21,1546.53 839.53,1546.53 918,1625 1032,1625 TP2.1@1070,1663 ; TP2.1@1076,1657 1133,1714 1229,1714 1305.66,1790.66 1305.66,1827.83 1315.83,1838 1370.64,1838 1433.68,1901.04 U11.67@1469.65,1901.04
EN2: R88.1 TP23.1 U11.97 U14.21 | length 1416.3
  Top Layer w8: TP23.1@1120,1168 1120,1137 1137.1,1119.9 U14.21@1137.1,1071.2 ; TP23.1@1120,1175 1162.92,1217.92 1162.92,1262.84 1205.56,1305.47 1519.68,1305.47 ; R88.1@1518.5,1280.51 1518.5,1304.29 1519.68,1305.47 ; U11.97@2012.95,1731.75 2011,1729.8 2011,1681.13 1987.5,1657.63 1987.5,1591.35 1956.53,1560.38 1956.53,1463.53 1939.53,1446.53 1884.21,1446.53 1860.47,1422.79 1860.47,1400.47 1825,1365 1747.36,1365 1719.36,1337 1676.57,1337 1645.05,1305.47 1519.68,1305.47
EN3: R86.1 TP27.1 U11.143 U16.21 | length 1596
  Top Layer w8: U11.143@2300.35,2471.91 2301.76,2470.5 2407.79,2470.5 2505.5,2372.79 2505.5,2243.86 2513.5,2235.86 2513.5,2094.22 2496.79,2077.51 2496.79,1742.79 2510,1729.57 2510,1549.64 2531.35,1528.29 2531.35,1398.58 2531.5,1398.43 2531.5,1347.44 2551,1327.94 2551,1254.09 2534.54,1237.63 2534.54,1175.46 TP27.1@2535,1175 2555.15,1154.85 2554.81,1154.52 U16.21@2554.81,1071.2
EN4: R84.1 TP30.1 U11.16 U17.21 | length 2745.2
  Top Layer w8: v1(1934,2483) 1934.21,2483.21 U11.16@1934.21,2562.46 ; v1(2636,1755) 2636,1749 2600,1713 2600,1586.92 2621.5,1565.42 2621.5,1512.85 2750.39,1383.97 ; R84.1@2771.65,1404.33 2751.29,1383.97 2750.39,1383.97 ; U17.21@3263.67,1071.2 3263.67,1128.2 3255,1136.88 TP30.1@3255,1175 3219,1211 3219,1261.91 3169.91,1311 2823.35,1311 2750.39,1383.97
  Bottom Layer w8: v1(1934,2483) 1940.5,2489.5 1940.5,2515.56 1985.44,2560.5 2197.86,2560.5 2260.5,2497.86 2260.5,2155.65 2302.5,2113.65 2302.5,2042.5 2344.5,2000.5 2515.5,2000.5 2563.5,1952.5 2626.5,1952.5 2665,1914 2665,1784 v1(2636,1755)
EN_Z: R89.1 TP25.1 U11.117 U15.21 | length 1457.6
  Top Layer w8: U15.21@1846.22,1071.2 1846.22,1143.78 TP25.1@1815,1175 1856.81,1216.81 1856.81,1261.72 1885.09,1290 1944.91,1290 1961.41,1273.5 2033.46,1273.5 ; R89.1@2032.28,1250 2032.28,1272.32 2033.46,1273.5 ; U11.117@2300.35,1960.09 2344.84,1960.09 2391.79,1913.15 2391.79,1699.29 2405,1686.08 2405,1461.21 2217.29,1273.5 2111.15,1273.5 2111.06,1273.59 2089.93,1273.59 2089.84,1273.5 2033.46,1273.5
ERASE: S2.3 S2.4 TP54.1 U11.130 | length 1513.1
  Top Layer w7: S2.3@2298.82,3078.65 2318.8,3078.65 2321.85,3081.69 v1(2321.85,3123.03)
  Top Layer w8: S2.4@2127.53,3080.58 2127.53,3078.65 2157.58,3078.65 2163.3,3072.93 2293.1,3072.93 S2.3@2298.82,3078.65 ; U11.130@2300.35,2216 2389,2216 v1(2413,2192)
  Bottom Layer w7: v1(2321.85,3123.03) 2371.06,3073.82 2437.99,3073.82 2580.71,2931.1 TP54.1@2580.71,2738.19 2552.02,2709.5 2552.02,2679.82 2515.15,2642.95 2515.15,2604 2508,2596.85 2508,2287 v1(2413,2192)
FET_PWM1: R26.2 U2.2 U11.137 | length 1657.1
  Top Layer w8: R26.2@2014,3444 1969.2,3444 U2.2@1968.2,3443 1962,3443 1948,3429 1945.56,3429 1869.56,3353 1815,3353 1795,3333 1795,3168 1833,3130 1977,3130 2025.24,3081.76 v2(2025.24,3031.76) ; U11.137@2300.35,2353.8 2353.8,2353.8 v1(2364,2364)
  Bottom Layer w8: v2(2025.24,3031.76) 2226.5,2830.5 2226.5,2708.71 2406.5,2528.71 2406.5,2406.5 v1(2364,2364)
FET_PWM2: R28.2 U6.2 U11.136 | length 2424.6
  Top Layer w8: U6.2@677.47,3157.87 711.87,3157.87 R28.2@721,3167 750,3196 v2(770,3196) ; U11.136@2300.35,2334.11 2369.83,2334.11 2373.22,2337.5 2382.5,2337.5 v1(2400,2355)
  Bottom Layer w8: v2(770,3196) 1420,3196 1550.06,3065.94 2050.63,3065.94 2241.5,2875.07 2241.5,2714.93 2421.5,2534.93 2421.5,2376.5 v1(2400,2355)
FET_PWM3: R35.2 U10.2 U11.135 | length 647.3
  Top Layer w7: R35.2@2322.83,2761.51 2367.81,2716.54 v1@2368.11,2716.54 ; v1(2366.26,2714.7) 2390.88,2714.7 U10.2@2392.72,2716.54
  Top Layer w8: U11.135@2300.35,2314.43 2343.43,2314.43 2346.53,2317.53 2374.47,2317.53 2379.44,2322.5 2400.56,2322.5 v1(2420,2318)
  Bottom Layer w7: v1(2366.26,2714.7) 2366.26,2610.68 2436,2540.93 2436,2486.72 2436.5,2486.22
  Bottom Layer w8: v1(2420,2318) 2436.5,2334.5 2436.5,2486.22
FET_PWM4: R39.2 U10.5 U11.134 | length 718.5
  Top Layer w7: U10.5@2451.77,2716.54 2451.77,2672.32 2459.65,2664.45 v1(2459.65,2631.89) 2464.49,2631.89 2542.25,2709.65 R39.2@2565.65,2709.65
  Top Layer w8: U11.134@2299.09,2296 U11.134@2300.35,2294.74 2345.68,2294.74 2353.47,2302.53 2386.47,2302.53 2386,2302.06 2390,2298.06 v1(2390,2297)
  Bottom Layer w7: 2430.56,2292.5 2459.65,2321.58 v1(2459.65,2631.89)
  Bottom Layer w8: v1(2390,2297) 2394.5,2292.5 2430.56,2292.5
FET_PWM5: R29.2 U10.12 U11.133 | length 992.1
  Top Layer w7: v1(2389.88,2914.51) 2389.88,2886.21 2412.4,2863.69 U10.12@2412.4,2844.49 ; R29.2@2395.2,2937.23 R29.2@2398.62,2940.65
  Top Layer w8: U11.133@2300.35,2275.06 2301.41,2274 v1(2362,2274)
  Top Layer w16: v1@2395.2,2921.72 R29.2@2395.2,2937.23
  Bottom Layer w7: v1(2389.88,2914.51) 2389.88,2877.84 2442.55,2825.17 2463.27,2825.17 2476.74,2811.69 2476.74,2808.35 2524.02,2761.07 2524.02,2691.42 2484.65,2652.05 2484.65,2621.53 2473.65,2610.53 2473.65,2308.65 2438.5,2273.5
  Bottom Layer w8: v1(2362,2274) 2374,2262 2396.94,2262 2408.44,2273.5 2438.5,2273.5
FGND: C12.1 C67.1 D5.A D21.A D26.C D28.C D29.C D30.C D31.C D32.C D33.C D64.C D65.C D66.C D67.C D68.C D69.C H1.1 H2.1 H3.1 H5.1 H6.1 H7.1 J18.9 J18.10 J18.11 J18.13 R3.2 R4.2 R13.2 R32.2 R66.1 R100.2 R131.2 R132.2 S1.3 S1.4 TP68.1 | length 5934.8
  Top Layer w8: v1(51,2009) C67.1@94.3,2009 94.3,1969.3 R66.1@94,1969 ; v1(378.94,1995.08) D64.C@378.94,1971.46 D65.C@419.29,1971.46 ; D68.C@500.98,1971.46 500.98,1998.03 500,1999.02 501.37,1999.02 v1(503.34,1997.05) ; v1(544.29,2051.18) 557.09,2063.98 D66.C@574.8,2063.98 574.8,2083.66 591.54,2100.39 651.57,2100.39 666.34,2085.63 D67.C@666.34,2064.96 ; v1(577.76,1997.05) 577.76,1998.03 578.74,1997.05 D69.C@578.74,1971.46 ; D28.C@2661.71,2101 2661.71,2129.71 2662,2130 v1(2662,2128)
  Top Layer w10: D29.C@2823.71,2101 v1(2823.71,2129) ; D30.C@3004.71,2101 v1(3004.71,2129) ; D31.C@3169.71,2101 v1(3169.71,2129) ; D32.C@3400.71,2101 v1(3400.71,2129) ; D33.C@3566.71,2100 D33.C@3566.71,2101 v1(3566.71,2128) ; v1(2823.71,2129) 2823.71,2132 2824.71,2133 2824.71,2130 v1(2823.71,2129) ; v1(3004.71,2129) 3004.71,2132 3005.71,2133 3005.71,2130 v1(3004.71,2129) ; v1(3169.71,2129) 3169.71,2132 3170.71,2133 3170.71,2130 v1(3169.71,2129) ; v1(3400.71,2129) 3400.71,2132 3401.71,2133 3401.71,2130 v1(3400.71,2129) ; v1(3566.71,2128) 3566.71,2131 3567.71,2132 3567.71,2129 v1(3566.71,2128)
  Top Layer w12: H5.1@88.94,1096.94 H5.1@88.94,1109.94
  Top Layer w16: R3.2@234,3722 234,3760.88 ; 274.12,81 R132.2@335,81 ; H7.1@3893,262.12 R131.2@3893,328
  Top Layer w20: v1(48,2662) D26.C@69.69,2662 ; v1(50,1058) 64,1058 R100.2@64,1006 ; H1.1@189.37,3805.51 191.38,3803.5 234,3760.88 ; v1@278.39,3104.15 278.39,3077.5 H3.1@309.94,3045.94 ; R32.2@358,2955 358,3009 v1@369,3009 ; C12.1@4006.7,3587 v1(4040,3587) ; R13.2@4007,3547 v1(4040,3547) ; D5.A@4010,3646 v1(4040,3646)
  Top Layer w24: v1(52,3332) 83,3363 D21.A@88,3363 ; J18.9@57.6,1342.06 57.6,1748 J18.10@57.6,1849.94 ; J18.9@81.06,1342.06 494.19,1342.06 J18.11@630.72,1478.59 ; H6.1@244.49,110.63 246.5,108.62 274.12,81 ; H7.1@3893,262.12 3908.62,246.5 H7.1@3910.63,244.49 ; H2.1@3969.9,3796.9 3982.58,3784.22 R4.2@3982.58,3700.63
  Top Layer w32: v1(49,1269) 80.62,1237.38 84.41,1233.59 ; v1(50,1058) 86.93,1094.93 H5.1@88.94,1096.94
  Top Layer w40: v1(45,3139) 184,3139 ; S1.4@184,2997 184,3139 ; S1.3@184,3273 184,3139 ; 185,3105 273,3105 v1@277,3105 ; v1(4040,3547) v1(4040,3587) v1(4040,3646)
  Bottom Layer w8: v1(51,2009) v1@57.09,2009
  Bottom Layer w24: v2(50.2,1974.41) 51,1975.21 v1(51,2009) ; v1@57.09,2009 114.32,2009 167.32,1956 263.09,1956 302.17,1995.08 v1(378.94,1995.08) 403.54,1995.08 434.98,1963.64 465.67,1963.64 499.07,1997.05 v1(503.34,1997.05) 503.34,2010.23 v1(544.29,2051.18) 577.76,2017.72 v1(577.76,1997.05) ; v1(2662,2128) 2662.5,2127.5 2711.88,2127.5 2712.38,2128 2733.62,2128 2768.12,2093.5 2826,2093.5 ; v1(2823.71,2129) 2823.71,2095.79 2826,2093.5 ; v1(3004.71,2129) 3004.71,2095.79 3007,2093.5 ; v1(3169.71,2129) 3169.71,2095.79 3172,2093.5 ; v1(3400.71,2129) 3400.71,2094.79 3402,2093.5 ; v1(3566.71,2128) 3566.71,2093.79 3567,2093.5 ; v1(4053,1822) v1(4053,1852) ; v1(4053,1882) v1(4053,1852) ; 2826,2093.5 3007,2093.5 ; 3007,2093.5 3172,2093.5 ; 3172,2093.5 3402,2093.5 ; 3402,2093.5 3567,2093.5 ; 3567,2093.5 3597,2093.5 3597,2093 3838,1852 v1(4053,1852)
  Bottom Layer w40: v1(52,3332) v1(52,3289) 132,3289 148,3273 S1.3@184,3273 ; S1.4@194,2997 S1.4@200.25,2990.75 ; v1(4040,3547) v1(4040,3587) v1(4040,3646)
  other v1: 148,1078.45 57.45,1169 238.55,1169 148,1259.55 48.13,1409 48.13,1452 48.13,1748 48.13,1792 369,3014.45 278.45,3105 459.55,3105 369,3195.55
FN1: C14.2 D3.C D13.C D19.A J1.7 Q6.3 TP41.1 | length 247.1
  Top Layer w40: D19.A@1814,3624 1871.23,3566.77 C14.2@1871.23,3538
  Bottom Layer w8: J1.7@1680,3852 1681,3851 TP41.1@1681,3715